# Allegro board MCU-V4.brd
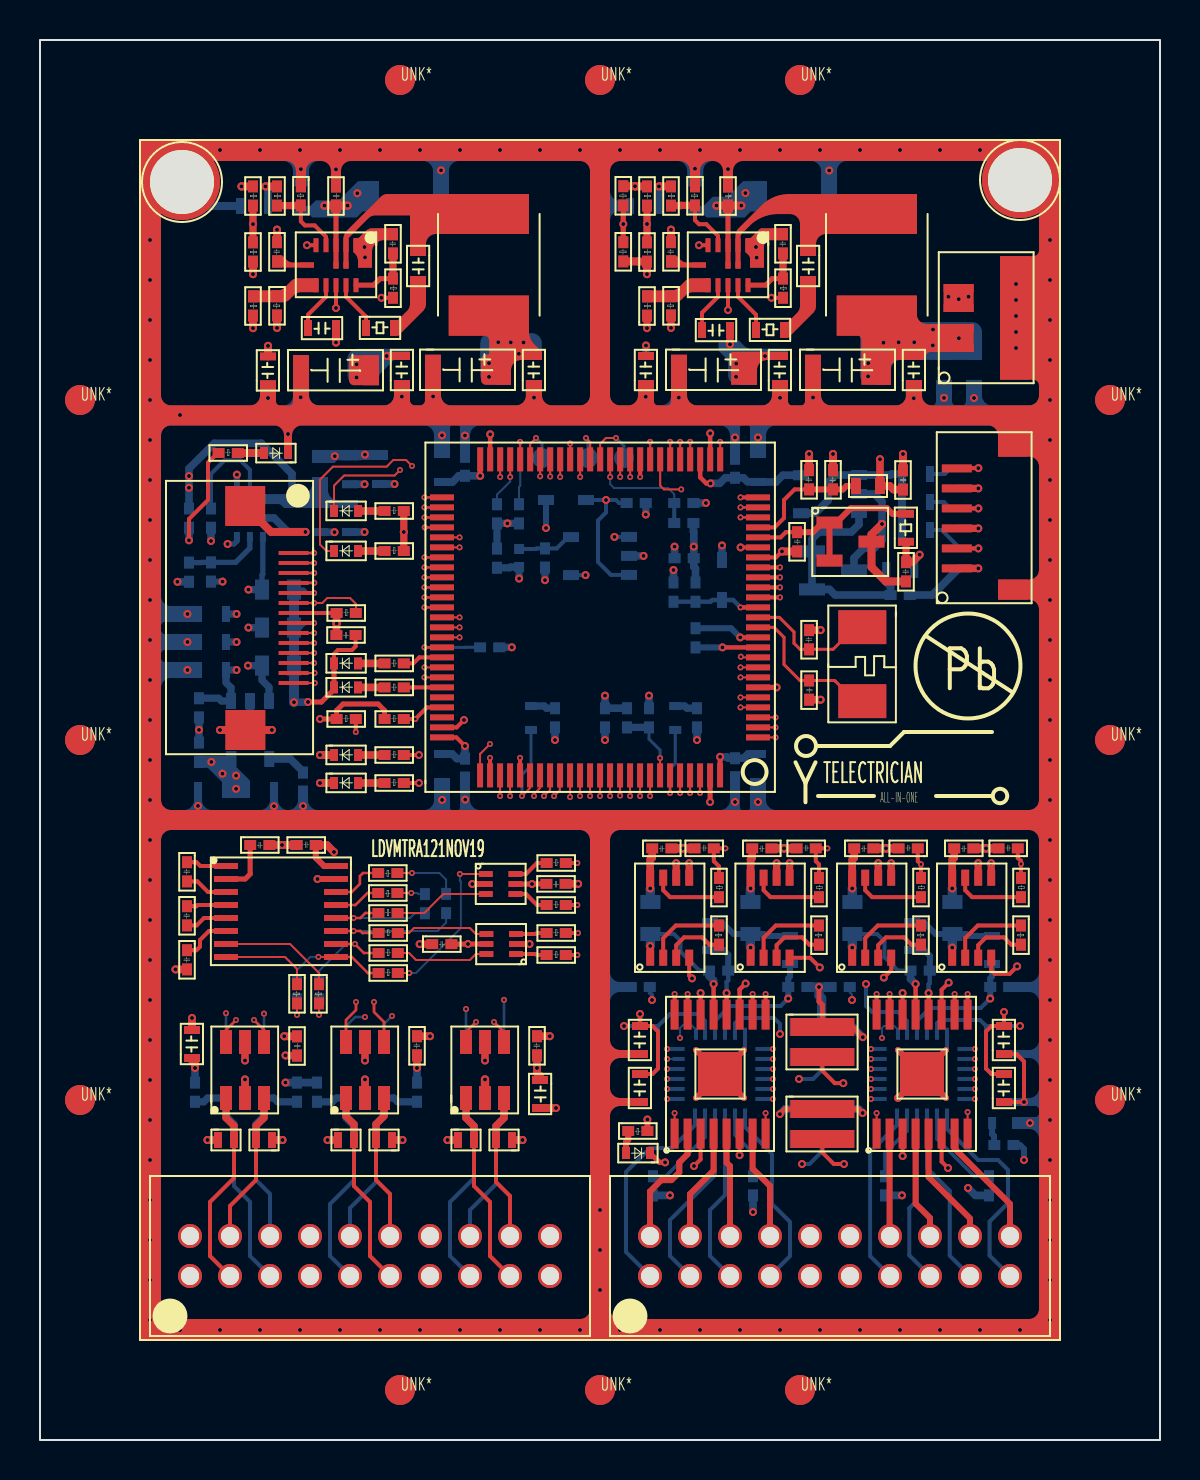
[diagram p0: board, top side]
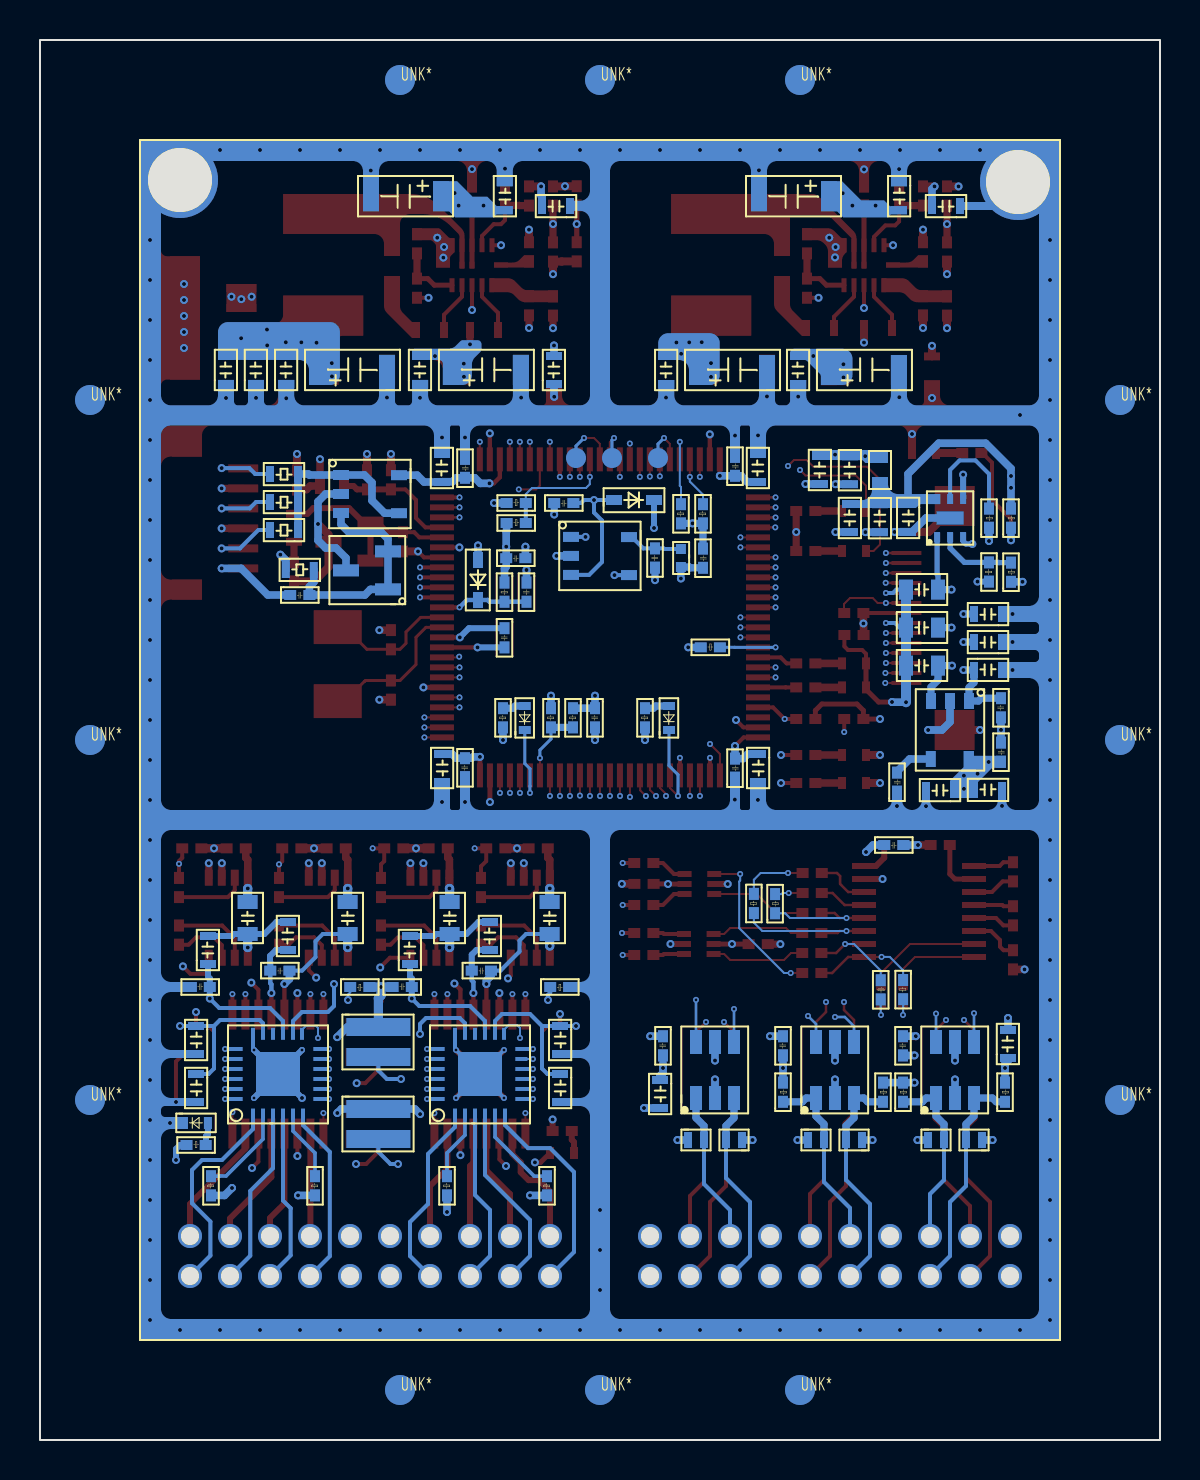
[diagram p1: board, bottom side, seen from below]

Outline 56 x 70 mm; copper layers: TOP, GND-L2, SIGNAL-L3, SIGNAL-L4, GND-L5, PWR-L6, SIGNAL-L7, SIGNAL-L8, GND-L9, BOTTOM. Coordinates in mm from the lower left corner of the outline.
Outline path: rectangle 0,0 56,70

## Design rules (mm)
constraint set DEFAULT: min track width 0.1
net group M1_I_ADC: nets M1_I_ADC N10404
net group M2_I_ADC: nets M2_I_ADC N11136
net group M3_I_ADC: nets M3_I_ADC N28759
net group M4_I_ADC: nets M4_I_ADC N28731
net group MCU_LED1: nets MCU_LED1 N7936310
net group MCU_LED2: nets MCU_LED2 N7936621
net group MCU_LED3: nets MCU_LED3 N7936920
net group MCU_LED4: nets MCU_LED4 N7937230
net group MCU_UART3_RXD: nets MCU_UART3_RXD N9050708
net group MCU_UART3_TXD: nets MCU_UART3_TXD N9050029
net group MCU_UART4_RXD: nets MCU_UART4_RXD N9050720
net group MCU_UART4_TXD: nets MCU_UART4_TXD N9050041
net group MG8: nets M4_PWM+ M4_PWM-
net group MG9: nets M3_PWM+ M3_PWM-
net group MG10: nets M2_PWM+ M2_PWM-
net group MG11: nets M1_PWM+ M1_PWM-
net group N07800: nets N07800 N07815
net group N08892: nets N08892 N08904
net group N28299: nets N28299 N28303
net group N28307: nets N28307 N28311
net group N7119824: nets N7119824 N7119964
net group N7119928: nets N7119928 N7120000
net group N8196950: nets N8196950 N8196956
net group N8197004: nets N8197004 N8197018
net group N8197074: nets N8197074 N8197078
net group N8197176: nets N8197176 N8197194
net group MG12: nets MCU_SPI2_MISO MCU_SPI2_MOSI MCU_SPI2_NSS MCU_SPI2_SCK
net group PT100-1: nets N57288 PT100-1 PT100-2 PT100-3
net group RXD1: nets N7132405 N7303158 N9050712 RXD1
net group RXD2: nets N7132409 N7303185 N9050724 RXD2
net group TXD1: nets N7132397 N7303093 N9050033 TXD1
net group TXD2: nets N7132401 N7303131 N9050045 TXD2

## Placement (name value [footprint] x y rotation side)
C1  0.1uF  [C0402]  15.05 61.71 90 top
C2  0.1uF  [C0402]  34.65 61.71 90 top
C3  1uF/10V  [C0402]  17.4 60.3 270 top
C4  1uF/10V  [C0402]  36.9 60.3 270 top
C5  15nF  [C0402]  11.6 59.9 270 top
C6  15nF  [C0402]  31.3 59.9 270 top
C7  0.1uF  [C0603]  18.5 59.5 270 top
C8  0.1uF  [C0603]  38 59.5 270 top
C9  100pF/25V  [C0603]  14.9 56 180 top
C10  150pF/25V  [C0603]  34.6 55.9 180 top
C11  0.1uF/25V  [C0603]  18.5 52.7 90 top
C12  22uF/25V  [C1206]  19.8 52.72 0 top
C13  0.1uF/25V  [C0603]  25.1 52.7 90 top
C14  0.1uF/25V  [C0603]  30.7 52.7 90 top
C15  22uF/25V  [C1206]  32.1 52.72 0 top
C16  0.1uF/25V  [C0603]  37.4 52.7 90 top
C17  22uF/25V  [C1206]  38.8 52.72 0 top
C18  0.1uF  [C0603]  44.1 52.7 90 top
C19  0.1uF/25V  [C0603]  11.8 52.68 90 top
C20  22uF/25V  [C1206]  13.2 52.7 0 top
C21  0.1uF  [C0402]  38.2 48.5 270 top
C22  0.1uF  [C0402]  39.4 48.5 270 top
C23  0.1uF  [C0402]  43.4 47.51 90 top
C24  0.1uF  [C0402]  38.1 44.42 90 top
C25  0.1uF  [C0402]  43.05 43.9 270 top
C26  0.1uF  [C0402]  14.81 40 0 top
C27  22pF  [C0402]  38.2 40.5 270 top
C28  22pF  [C0402]  38.7 37 90 top
C29  0.1uF  [C0402]  10.5 29.5 0 top
C30  0.1uF  [C0402]  13.8 30 180 top
C31  0.1uF  [C0402]  30.6 29.33 0 top
C32  0.1uF  [C0402]  33.7 29.83 180 top
C33  0.1uF  [C0402]  35.6 29.33 0 top
C34  0.1uF  [C0402]  38.8 29.83 180 top
C35  0.1uF  [C0402]  40.7 29.33 0 top
C36  0.1uF  [C0402]  43.9 29.83 180 top
C37  0.1uF  [C0402]  45.7 29.33 0 top
C38  0.1uF  [C0402]  48.9 29.83 180 top
C39  0.1uF  [C0402]  7.1 28.9 270 top
C40  0.1uF  [C0402]  25.31 27.55 0 top
C41  0.1uF  [C0402]  7.1 26.7 270 top
C42  0.1uF  [C0402]  19.6 24.55 0 top
C43  0.1uF  [C0402]  7.1 24.5 270 top
C44  2.2uF  [C0603]  30.4 19.2 90 top
C45  2.2uF  [C0603]  48.6 19.2 90 top
C46  10uF  [C0603]  8 19 90 top
C47  0.1uF  [C0402]  13.1 19.21 90 top
C48  0.1uF  [C0402]  18.6 20.2 270 top
C49  0.1uF  [C0402]  24.6 20.2 270 top
C50  2.2uF  [C0603]  30.4 16.8 90 top
C51  2.2uF  [C0603]  48.6 16.8 90 top
C52  10uF  [C0603]  24.6 18.1 270 top
C53  22uF/50V  [C1206]  39.3 61.4 180 bottom
C54  0.1uF/50V  [C0603]  33.16 62.99 270 bottom
C55  22uF/50V  [C1206]  19.9 61.4 180 bottom
C56  0.1uF/50V  [C0603]  13.45 62.99 270 bottom
C57  0.1uF/25V  [C0603]  29.4 62.1 0 bottom
C58  0.1uF/25V  [C0603]  9.9 62.1 0 bottom
C59  0.1uF/25V  [C0603]  46.3 52.7 90 bottom
C60  0.1uF/25V  [C0603]  44.8 52.7 90 bottom
C61  0.1uF/25V  [C0603]  43.29 52.7 90 bottom
C62  22uF/25V  [C1206]  38.8 54.29 0 bottom
C63  0.1uF/25V  [C0603]  36.6 52.7 90 bottom
C64  22uF/25V  [C1206]  32.1 54.29 0 bottom
C65  0.1uF/25V  [C0603]  24.29 52.7 90 bottom
C66  22uF/25V  [C1206]  19.8 54.29 0 bottom
C67  0.1uF/25V  [C0603]  17.69 52.7 90 bottom
C68  22uF/25V  [C1206]  13.2 54.29 0 bottom
C69  0.1uF/25V  [C0603]  29.9 52.7 90 bottom
C70  0.1uF  [C0402]  21 48.2 90 bottom
C71  10uF  [C0603]  35.5 47.8 90 bottom
C72  10uF  [C0603]  19.7 47.8 90 bottom
C73  0.1uF  [C0402]  34.5 48.1 90 bottom
C74  0.1uF/25V  [C0603]  16.6 47.7 90 bottom
C75  0.1uF/25V  [C0603]  15.1 47.69 90 bottom
C76  0.1uF  [C0402]  30.3 46.6 180 bottom
C77  10uF  [C0603]  15.1 45.3 90 bottom
C78  10uF  [C0603]  13.6 45.29 90 bottom
C79  0.1uF  [C0603]  13 46.9 270 bottom
C80  0.1uF  [C0402]  25.5 44.59 270 bottom
C81  0.1uF  [C0402]  22.6 43.6 90 bottom
C82  0.1uF  [C0402]  32.7 43.84 180 bottom
C83  10uF  [C0805]  12.9 41.9 180 bottom
C84  0.1uF  [C0402]  31.93 42.88 270 bottom
C85  0.1uF  [C0402]  43.5 42 180 bottom
C86  10uF  [C0603]  7.8 41.7 0 bottom
C87  10uF  [C0805]  12.9 40 180 bottom
C88  0.1uF  [C0402]  33.02 40.6 270 bottom
C89  10uF  [C0603]  7.8 40.3 0 bottom
C90  10uF  [C0805]  12.9 38.1 180 bottom
C91  1uF  [C0603]  9.4 38.1 180 bottom
C92  0.1uF  [C0402]  8.2 37.1 270 bottom
C93  0.1uF  [C0402]  28.5 36.6 270 bottom
C94  0.1uF  [C0402]  7.7 33.9 90 bottom
C95  0.1uF  [C0402]  35 34.1 270 bottom
C96  10uF  [C0603]  36.3 34.4 270 bottom
C97  0.1uF  [C0402]  21 33.1 90 bottom
C98  10uF  [C0603]  20.5 34.4 270 bottom
C99  0.01uF  [C0402]  12.9 32.4 90 bottom
C100  1uF  [C0603]  10.2 32.9 0 bottom
C101  1uF  [C0603]  9.4 32.1 180 bottom
C102  0.1uF  [C0402]  13.8 29.5 180 bottom
C103  10uF  [C0805]  45 25.1 90 bottom
C104  10uF  [C0805]  40 25.1 90 bottom
C105  10uF  [C0805]  34.9 25.1 90 bottom
C106  10uF  [C0805]  29.9 25.1 90 bottom
C107  4.7uF  [C0603]  43.2 24.4 90 bottom
C108  4.7uF  [C0603]  33.1 24.4 90 bottom
C109  10uF  [C0603]  47.2 23.7 90 bottom
C110  10uF  [C0603]  37.1 23.7 90 bottom
C111  0.1uF  [C0402]  44.5 23.22 180 bottom
C112  0.1uF  [C0402]  34.42 23.22 180 bottom
C113  0.1uF  [C0402]  47.5 22.9 0 bottom
C114  0.1uF  [C0402]  37.4 22.9 0 bottom
C115  2.2uF  [C0603]  48.6 20.8 270 bottom
C116  2.2uF  [C0603]  30.4 20.8 270 bottom
C117  10uF  [C0603]  7.2 19 90 bottom
C118  0.1uF  [C0402]  25.1 20.2 270 bottom
C119  0.1uF  [C0402]  19.1 20.2 270 bottom
C120  0.1uF  [C0402]  13.1 20.2 270 bottom
C121  2.2uF  [C0603]  48.6 18.4 270 bottom
C122  2.2uF  [C0603]  30.4 18.4 270 bottom
C123  10uF  [C0603]  25.4 18.1 270 bottom
D1  BLUE  [LED0402]  12.3 49.6 180 top
D2  LED  [LED0402]  14.8 46.2 0 top
D3  LED  [LED0402]  14.8 44.2 0 top
D4  LED  [LED0402]  14.8 38.58 0 top
D5  LED  [LED0402]  14.8 37.38 0 top
D6  LED  [LED0402]  14.8 34 0 top
D7  LED  [LED0402]  14.8 32.6 0 top
D8  ESD5451X  [DF1006]  8.8 14.7 0 top
D9  ESD5451X  [DF1006]  11.7 15.3 180 top
D10  ESD5451X  [DF1006]  14.8 14.7 0 top
D11  ESD5451X  [DF1006]  17.7 15.3 180 top
D12  ESD5451X  [DF1006]  20.8 14.7 0 top
D13  ESD5451X  [DF1006]  23.7 15.3 180 top
D14  BLUE  [LED0402]  30.4 14.6 180 top
D15  1N4148WT  [SOD-523F]  27.3 47 90 bottom
D16  1N4148WT  [SOD-523F]  34.1 44 180 bottom
D17  LED  [LED0402]  31.51 35.6 90 bottom
D18  LED  [LED0402]  24.3 35.6 90 bottom
D19  BLUE  [LED0402]  48.7 15.6 180 bottom
D20  ESD5451X  [DF1006]  23.7 14.7 180 bottom
D21  ESD5451X  [DF1006]  20.8 15.3 0 bottom
D22  ESD5451X  [DF1006]  17.7 14.7 180 bottom
D23  ESD5451X  [DF1006]  14.8 15.3 0 bottom
D24  ESD5451X  [DF1006]  11.7 14.7 180 bottom
D25  ESD5451X  [DF1006]  8.8 15.3 0 bottom
J1  HEADER-1X4  [SH1D0-SMD-VER-4P]  49.4 53.1 90 top
J2  HEADER1x6  [SH1D0-SMD-VER-6P]  49.3 42.1 90 top
J3  FPC-14P-0.5  [FPC-14P-0D5]  9.2 41.1 270 top
J4  CONNECTOR-2X10P  [PHB2D0MM-2X10P-VER]  7.5 10.2 0 top
J5  CONNECTOR-2X10P  [PHB2D0MM-2X10P-VER]  30.5 10.2 0 top
L1  4.7uH/2A  [CD54-IND-2P]  19.9 61.3 270 top
L2  4.7uH/2A  [CD54-IND-2P]  39.3 61.3 270 top
L3  BLM18SP102SN1D  [FB0603]  42.2 48.1 180 top
L4  BLM18SP102SN1D  [FB0603]  14.4 49.3 270 bottom
L5  MPZ1005D330ET000  [FB0402]  24.2 44.6 270 bottom
NOREF  -  []  27.1 36.13 90 top
NOREF#2  -  []  11.65 39.9 90 top
NOREF#3  -  []  24.46 20.37 90 top
NOREF#4  -  []  19.94 25.18 90 top
NOREF#5  -  []  20.8 16.3 0 top
NOREF#6  -  []  10.21 32.1 90 top
NOREF#7  -  []  20.25 31.68 90 top
NOREF#8  -  []  24.29 53.51 0 top
NOREF#9  -  []  18.3 14.3 90 top
NOREF#10  -  []  23 52.72 90 top
NOREF#11  -  []  29.45 44.2 90 top
NOREF#12  -  []  31.02 60.62 0 top
NOREF#13  -  []  16.15 60.62 90 top
NOREF#14  -  []  15.97 40.18 0 top
NOREF#15  -  []  6.39 20.6 0 top
NOREF#16  -  []  23.5 51.89 0 top
NOREF#17  -  []  20.8 13.7 0 top
NOREF#18  -  []  35.15 30.75 0 top
NOREF#19  -  []  47 17.61 0 top
NOREF#20  -  []  43.29 54.3 0 top
NOREF#21  -  []  30.15 30.75 0 top
NOREF#22  -  []  12 57.82 90 top
NOREF#23  -  []  39.98 28.68 0 top
NOREF#24  -  []  17.69 61.1 0 top
NOREF#25  -  []  7.8 38.91 0 top
NOREF#26  -  []  44.3 25.26 0 top
NOREF#27  -  []  8.02 43.42 0 top
NOREF#28  -  []  43.15 15 90 top
NOREF#29  -  []  18.51 23.45 90 top
NOREF#30  -  []  34.76 62.99 90 top
NOREF#31  -  []  11.7 13.7 0 top
NOREF#32  -  []  21.66 26.85 90 top
NOREF#33  -  []  46.38 15.32 90 top
NOREF#34  -  []  31.7 57.82 90 top
NOREF#35  -  []  38 52.05 0 top
NOREF#36  -  []  21.54 38.46 0 top
NOREF#37  -  []  34.2 36.13 90 top
NOREF#38  -  []  15.97 34.88 0 top
NOREF#39  -  []  50.2 19.99 90 top
NOREF#40  -  []  42.5 61.4 90 top
NOREF#41  -  []  41.4 47.3 90 top
NOREF#42  -  []  21.38 25.24 90 top
NOREF#43  -  []  14.98 15.81 90 top
NOREF#44  -  []  42.07 43.42 0 top
NOREF#45  -  []  37.5 12.2 0 top
NOREF#46  -  []  41.4 49.51 0 top
NOREF#47  -  []  35.9 35.13 90 top
NOREF#48  -  []  49.13 13.58 90 top
NOREF#49  -  []  16 49.3 90 top
NOREF#50  -  []  45 26.35 0 top
NOREF#51  -  []  25.22 36.13 0 top
NOREF#52  -  []  27.85 16.25 90 top
NOREF#53  -  []  34.12 40.13 90 top
NOREF#54  -  []  45.41 43.1 90 top
NOREF#55  -  []  9.56 34.05 90 top
NOREF#56  -  []  26.12 36.91 90 top
NOREF#57  -  []  8.52 23.07 90 top
NOREF#58  -  []  26.47 27.68 0 top
NOREF#59  -  []  32 12.73 90 top
NOREF#60  -  []  33.02 42.41 90 top
NOREF#61  -  []  33.13 44.68 90 top
NOREF#62  -  []  11.3 57.83 0 top
NOREF#63  -  []  9.55 36.95 0 top
NOREF#64  -  []  10.12 55.12 0 top
NOREF#65  -  []  11.7 14.3 0 top
NOREF#66  -  []  13.1 22.33 0 top
NOREF#67  -  []  33.79 44.34 90 top
NOREF#68  -  []  34.1 42 90 top
NOREF#69  -  []  37.5 16.3 0 top
NOREF#70  -  []  20.5 25.26 90 top
NOREF#71  -  []  35.8 51.89 0 top
NOREF#72  -  []  50.95 28.41 90 top
NOREF#73  -  []  28.8 16.8 90 top
NOREF#74  -  []  5.85 40.3 0 top
NOREF#75  -  []  0 0 90 top
NOREF#76  -  []  40.7 12.2 90 top
NOREF#77  -  []  24.46 22.25 0 top
NOREF#78  -  []  42 52.72 90 top
NOREF#79  -  []  31.5 52.7 90 top
NOREF#80  -  []  31.29 62.23 90 top
NOREF#81  -  []  40.3 26.04 90 top
NOREF#82  -  []  17.26 58.87 0 top
NOREF#83  -  []  18.2 47.7 90 top
NOREF#84  -  []  10.2 52.68 90 top
NOREF#85  -  []  18.07 23.18 0 top
NOREF#86  -  []  15.39 56.8 0 top
NOREF#87  -  []  25.89 52.7 90 top
NOREF#88  -  []  34.56 42.35 0 top
NOREF#89  -  []  41.02 47.98 0 top
NOREF#90  -  []  26.47 23.08 0 top
NOREF#91  -  []  35.75 28.41 90 top
NOREF#92  -  []  37.1 48.81 90 top
NOREF#93  -  []  48.8 12.73 90 top
NOREF#94  -  []  38.5 56.01 90 top
NOREF#95  -  []  11.65 36.1 90 top
NOREF#96  -  []  13.2 60.62 90 top
NOREF#97  -  []  38.05 48.24 90 top
NOREF#98  -  []  24.3 14.3 90 top
NOREF#99  -  []  7.7 44.51 0 top
NOREF#100  -  []  35.8 61.39 0 top
NOREF#101  -  []  41.4 45.9 90 top
NOREF#102  -  []  24.86 28.98 0 top
NOREF#103  -  []  34.9 23.1 90 top
NOREF#104  -  []  38 23.85 0 top
NOREF#105  -  []  23.1 13.7 90 top
NOREF#106  -  []  22.42 32.65 90 top
NOREF#107  -  []  16.4 52.7 90 top
NOREF#108  -  []  13.45 63.8 0 top
NOREF#109  -  []  11.68 18.76 90 top
NOREF#110  -  []  40.25 30.75 0 top
NOREF#111  -  []  34.6 41.3 90 top
NOREF#112  -  []  46.4 52.7 90 top
NOREF#113  -  []  30.83 15.06 90 top
NOREF#114  -  []  36.62 56.01 0 top
NOREF#115  -  []  29.9 53.51 0 top
NOREF#116  -  []  45.25 30.75 0 top
NOREF#117  -  []  13.3 55.19 90 top
NOREF#118  -  []  32.8 45.75 90 top
NOREF#119  -  []  38.6 44.43 0 top
NOREF#120  -  []  15.2 44.48 90 top
NOREF#121  -  []  35.92 47.65 90 top
NOREF#122  -  []  15.1 48.5 0 top
NOREF#123  -  []  16.6 48.51 0 top
NOREF#124  -  []  34.88 62.23 90 top
NOREF#125  -  []  6.99 38.7 0 top
NOREF#126  -  []  42.91 45.95 0 top
NOREF#127  -  []  37.5 16.3 90 top
NOREF#128  -  []  12 55.12 90 top
NOREF#129  -  []  42.91 44.07 90 top
NOREF#130  -  []  16.08 22.33 90 top
NOREF#131  -  []  12.46 22.25 0 top
NOREF#132  -  []  14.98 22.33 90 top
NOREF#133  -  []  8.2 32.81 0 top
NOREF#134  -  []  34.6 44.3 0 top
NOREF#135  -  []  9.4 33.7 0 top
NOREF#136  -  []  35.49 36 0 top
NOREF#137  -  []  34.89 55.1 90 top
NOREF#138  -  []  7.74 25.27 0 top
NOREF#139  -  []  42.55 22.26 90 top
NOREF#140  -  []  16.9 52.7 90 top
NOREF#141  -  []  28.35 25.58 90 top
NOREF#142  -  []  12.9 36.1 90 top
NOREF#143  -  []  11.95 48.18 90 top
NOREF#144  -  []  15.1 46.9 0 top
NOREF#145  -  []  34.2 25.26 0 top
NOREF#146  -  []  47 25.1 90 top
NOREF#147  -  []  36.28 15.32 90 top
NOREF#148  -  []  36.68 42.37 0 top
NOREF#149  -  []  11.65 38 90 top
NOREF#150  -  []  19.95 24.18 90 top
NOREF#151  -  []  35.49 34.4 90 top
NOREF#152  -  []  48.18 23.53 90 top
NOREF#153  -  []  43.29 52.7 90 top
NOREF#154  -  []  40.7 16.3 90 top
NOREF#155  -  []  43.6 12.73 90 top
NOREF#156  -  []  33 62.23 0 top
NOREF#157  -  []  23.42 46.33 0 top
NOREF#158  -  []  33.91 22.8 90 top
NOREF#159  -  []  25.24 20.37 90 top
NOREF#160  -  []  10.07 48.18 0 top
NOREF#161  -  []  7.74 23.07 0 top
NOREF#162  -  []  13.29 62.23 0 top
NOREF#163  -  []  19.8 55.89 0 top
NOREF#164  -  []  6 28.43 0 top
NOREF#165  -  []  12.19 45.3 90 top
NOREF#166  -  []  46.3 53.51 0 top
NOREF#167  -  []  20.5 32.8 0 top
NOREF#168  -  []  9.39 31.3 0 top
NOREF#169  -  []  32.1 54.32 0 top
NOREF#170  -  []  19.95 22.18 90 top
NOREF#171  -  []  25.3 46.33 90 top
NOREF#172  -  []  39.2 25.26 0 top
NOREF#173  -  []  36.47 23.86 90 top
NOREF#174  -  []  8.61 41.7 90 top
NOREF#175  -  []  32 17.59 90 top
NOREF#176  -  []  37.1 49.59 0 top
NOREF#177  -  []  18.46 20.37 90 top
NOREF#178  -  []  28.95 15.06 0 top
NOREF#179  -  []  21.4 13.7 90 top
NOREF#180  -  []  32.32 36.13 0 top
NOREF#181  -  []  35.3 52.72 90 top
NOREF#182  -  []  22.29 27.8 90 top
NOREF#183  -  []  19 56.01 90 top
NOREF#184  -  []  47 20.01 0 top
NOREF#185  -  []  25.4 16.5 0 top
NOREF#186  -  []  13.3 55.19 0 top
NOREF#187  -  []  32.9 60.62 90 top
NOREF#188  -  []  10.12 57.82 0 top
NOREF#189  -  []  38.8 55.89 0 top
NOREF#190  -  []  18.37 45.28 0 top
NOREF#191  -  []  26.47 25.58 0 top
NOREF#192  -  []  31.7 55.12 90 top
NOREF#193  -  []  33 55.09 90 top
NOREF#194  -  []  21.4 15.3 90 top
NOREF#195  -  []  34.75 16.27 0 top
NOREF#196  -  []  14.2 16.3 0 top
NOREF#197  -  []  32.24 42.41 0 top
NOREF#198  -  []  30.67 22.26 0 top
NOREF#199  -  []  43.07 23.86 90 top
NOREF#200  -  []  36.6 53.51 0 top
NOREF#201  -  []  22.29 27.3 0 top
NOREF#202  -  []  15.39 55.2 0 top
NOREF#203  -  []  16.45 27.96 0 top
NOREF#204  -  []  48.01 22.1 90 top
NOREF#205  -  []  4 66 0 top
NOREF#206  -  []  19.24 20.37 90 top
NOREF#207  -  []  17.7 13.7 0 top
NOREF#208  -  []  41.4 48.11 0 top
NOREF#209  -  []  11.68 20.64 0 top
NOREF#210  -  []  14.19 22.54 90 top
NOREF#211  -  []  20.25 37.66 90 top
NOREF#212  -  []  43.07 24.64 0 top
NOREF#213  -  []  36.08 25.26 90 top
NOREF#214  -  []  10.12 60.62 0 top
NOREF#215  -  []  25.3 47 0 top
NOREF#216  -  []  45.3 44.81 90 top
NOREF#217  -  []  16.7 47.69 90 top
NOREF#218  -  []  16.09 20.93 90 top
NOREF#219  -  []  31.25 44.68 0 top
NOREF#220  -  []  51.18 25.26 90 top
NOREF#221  -  []  37.95 20.35 0 top
NOREF#222  -  []  41.08 25.26 90 top
NOREF#223  -  []  37.5 12.2 0 top
NOREF#224  -  []  42.03 17.05 90 top
NOREF#225  -  []  14.27 60.62 0 top
NOREF#226  -  []  29.1 53.51 0 top
NOREF#227  -  []  10.05 30.92 0 top
NOREF#228  -  []  17.69 59.5 90 top
NOREF#229  -  []  32.1 55.89 0 top
NOREF#230  -  []  6.78 37.27 90 top
NOREF#231  -  []  29.88 28.68 0 top
NOREF#232  -  []  23.8 24.3 90 top
NOREF#233  -  []  11.8 31.31 0 top
NOREF#234  -  []  26.47 24.18 0 top
NOREF#235  -  []  18.07 22.18 0 top
NOREF#236  -  []  9.9 43.42 90 top
NOREF#237  -  []  31.94 61.95 0 top
NOREF#238  -  []  38.8 54.32 0 top
NOREF#239  -  []  40.67 22.26 0 top
NOREF#240  -  []  18.37 36.46 0 top
NOREF#241  -  []  34.59 24.64 0 top
NOREF#242  -  []  47.26 13.58 0 top
NOREF#243  -  []  28.82 36.13 0 top
NOREF#244  -  []  34.69 49.4 0 top
NOREF#245  -  []  27.9 26.35 0 top
NOREF#246  -  []  43.2 22.8 0 top
NOREF#247  -  []  30.7 36.13 90 top
NOREF#248  -  []  29.82 55.12 0 top
NOREF#249  -  []  14.7 54.43 0 top
NOREF#250  -  []  35.66 48.04 0 top
NOREF#251  -  []  47.05 21.48 0 top
NOREF#252  -  []  18.07 24.18 0 top
NOREF#253  -  []  20.51 46.2 90 top
NOREF#254  -  []  16.4 54.29 90 top
NOREF#255  -  []  23.42 38.46 90 top
NOREF#256  -  []  35.66 45 90 top
NOREF#257  -  []  44.07 28.41 0 top
NOREF#258  -  []  35.3 26.04 90 top
NOREF#259  -  []  25.65 45.64 90 top
NOREF#260  -  []  28.8 20.01 0 top
NOREF#261  -  []  33.1 22.8 0 top
NOREF#262  -  []  13.6 44.48 0 top
NOREF#263  -  []  12.37 29.36 90 top
NOREF#264  -  []  6.4 19 90 top
NOREF#265  -  []  36.15 23.1 90 top
NOREF#266  -  []  38.1 23.53 90 top
NOREF#267  -  []  48.52 26.04 0 top
NOREF#268  -  []  18.33 26.96 90 top
NOREF#269  -  []  9.3 28.7 0 top
NOREF#270  -  []  14.21 20.93 0 top
NOREF#271  -  []  20.25 45.28 90 top
NOREF#272  -  []  31.73 15.32 0 top
NOREF#273  -  []  22.19 23.94 0 top
NOREF#274  -  []  36.29 22.1 0 top
NOREF#275  -  []  31.8 56.73 0 top
NOREF#276  -  []  20.5 25.26 0 top
NOREF#277  -  []  32.27 61.4 90 top
NOREF#278  -  []  40.58 40.81 90 top
NOREF#279  -  []  30.12 12.73 0 top
NOREF#280  -  []  37.5 12.2 90 top
NOREF#281  -  []  23.7 14.3 0 top
NOREF#282  -  []  30.47 48.02 0 top
NOREF#283  -  []  38.97 28.41 0 top
NOREF#284  -  []  6.4 19.81 0 top
NOREF#285  -  []  14.8 13.7 0 top
NOREF#286  -  []  46.18 25.26 90 top
NOREF#287  -  []  7.8 43.3 0 top
NOREF#288  -  []  22 33.23 0 top
NOREF#289  -  []  23.5 51.89 90 top
NOREF#290  -  []  33.87 28.41 0 top
NOREF#291  -  []  24.2 46.33 90 top
NOREF#292  -  []  20.25 33.08 90 top
NOREF#293  -  []  31.8 36.13 90 top
NOREF#294  -  []  28.35 24.18 90 top
NOREF#295  -  []  23.79 16.5 0 top
NOREF#296  -  []  35.12 12.73 0 top
NOREF#297  -  []  37.92 37.47 0 top
NOREF#298  -  []  41.02 47.2 90 top
NOREF#299  -  []  20.25 34.88 90 top
NOREF#300  -  []  32.72 60.07 90 top
NOREF#301  -  []  53.3 34.1 90 top
NOREF#302  -  []  35.14 49.53 0 top
NOREF#303  -  []  23.24 45.03 0 top
NOREF#304  -  []  23.1 61.4 90 top
NOREF#305  -  []  41.4 48.7 90 top
NOREF#306  -  []  18.37 43.28 0 top
NOREF#307  -  []  13.2 54.3 0 top
NOREF#308  -  []  12.9 38 90 top
NOREF#309  -  []  31.29 59.43 90 top
NOREF#310  -  []  16.9 53.51 0 top
NOREF#311  -  []  24.02 43.15 90 top
NOREF#312  -  []  18.46 22.25 0 top
NOREF#313  -  []  18.37 31.68 0 top
NOREF#314  -  []  19.7 46.2 0 top
NOREF#315  -  []  11.5 62.1 90 top
NOREF#316  -  []  23.12 44.12 0 top
NOREF#317  -  []  39.47 43.97 0 top
NOREF#318  -  []  14.2 22.33 0 top
NOREF#319  -  []  20.25 36.46 90 top
NOREF#320  -  []  47.9 52.7 90 top
NOREF#321  -  []  6.99 38.7 90 top
NOREF#322  -  []  17.85 34.88 90 top
NOREF#323  -  []  20.86 46.15 0 top
NOREF#324  -  []  36.55 20.1 0 top
NOREF#325  -  []  29.41 62.23 0 top
NOREF#326  -  []  11.8 31.31 90 top
NOREF#327  -  []  42 54.29 90 top
NOREF#328  -  []  38.2 52.7 90 top
NOREF#329  -  []  49.07 28.41 0 top
NOREF#330  -  []  26.21 16.5 90 top
NOREF#331  -  []  15.28 38.9 90 top
NOREF#332  -  []  14.5 38.9 0 top
NOREF#333  -  []  53.25 15 90 top
NOREF#334  -  []  41.4 46.71 0 top
NOREF#335  -  []  36.31 20.52 0 top
NOREF#336  -  []  33.42 26.04 0 top
NOREF#337  -  []  37.03 29.97 90 top
NOREF#338  -  []  49.3 34.1 0 top
NOREF#339  -  []  13.24 20.37 90 top
NOREF#340  -  []  38 48.85 90 top
NOREF#341  -  []  12.37 30.14 0 top
NOREF#342  -  []  19.1 15.81 0 top
NOREF#343  -  []  37.5 16.3 0 top
NOREF#344  -  []  8.2 16.3 0 top
NOREF#345  -  []  39.8 36.69 90 top
NOREF#346  -  []  29.92 36.13 0 top
NOREF#347  -  []  37 12.73 90 top
NOREF#348  -  []  31.25 45.68 0 top
NOREF#349  -  []  25.65 45.64 0 top
NOREF#350  -  []  34.9 28.68 0 top
NOREF#351  -  []  43.7 45.62 0 top
NOREF#352  -  []  13.98 28.99 90 top
NOREF#353  -  []  31.93 17.05 90 top
NOREF#354  -  []  14.2 15.3 90 top
NOREF#355  -  []  18.46 22.25 0 top
NOREF#356  -  []  7.7 41.81 0 top
NOREF#357  -  []  17.12 56.01 0 top
NOREF#358  -  []  9.9 62.91 0 top
NOREF#359  -  []  28.35 27.68 90 top
NOREF#360  -  []  6.78 39.15 0 top
NOREF#361  -  []  15.98 15.81 90 top
NOREF#362  -  []  29 40.13 90 top
NOREF#363  -  []  29.41 59.43 0 top
NOREF#364  -  []  35.46 42.35 90 top
NOREF#365  -  []  12.24 61.95 0 top
NOREF#366  -  []  37.95 16.25 90 top
NOREF#367  -  []  32.35 47.24 90 top
NOREF#368  -  []  28.8 17.61 0 top
NOREF#369  -  []  20.25 43.28 90 top
NOREF#370  -  []  44.85 16.27 0 top
NOREF#371  -  []  17.26 58.87 90 top
NOREF#372  -  []  32.03 29.97 90 top
NOREF#373  -  []  31.14 42.41 0 top
NOREF#374  -  []  12.3 13.7 90 top
NOREF#375  -  []  27.8 61.29 0 top
NOREF#376  -  []  29.82 60.62 0 top
NOREF#377  -  []  13.2 55.89 0 top
NOREF#378  -  []  36.68 42.37 90 top
NOREF#379  -  []  26.74 28.2 90 top
NOREF#380  -  []  8.2 14.7 90 top
NOREF#381  -  []  32.55 22.26 90 top
NOREF#382  -  []  31.7 60.62 90 top
NOREF#383  -  []  0 70 0 top
NOREF#384  -  []  38.3 49.59 0 top
NOREF#385  -  []  34.89 56.7 0 top
NOREF#386  -  []  8.52 25.27 90 top